# Altium PCB JTAG批量下载板-V1.6-ASCII.PcbDoc (part 8 of 14)
Units mil, origin at the board's own origin, x right, y up, seen from the top; angles counter-clockwise.
Board outline 7947.6 x 7007.76 mil, 2 copper layers (Top Layer, Bottom Layer); 207 components, 340 nets, 1329 pads, 792 vias.
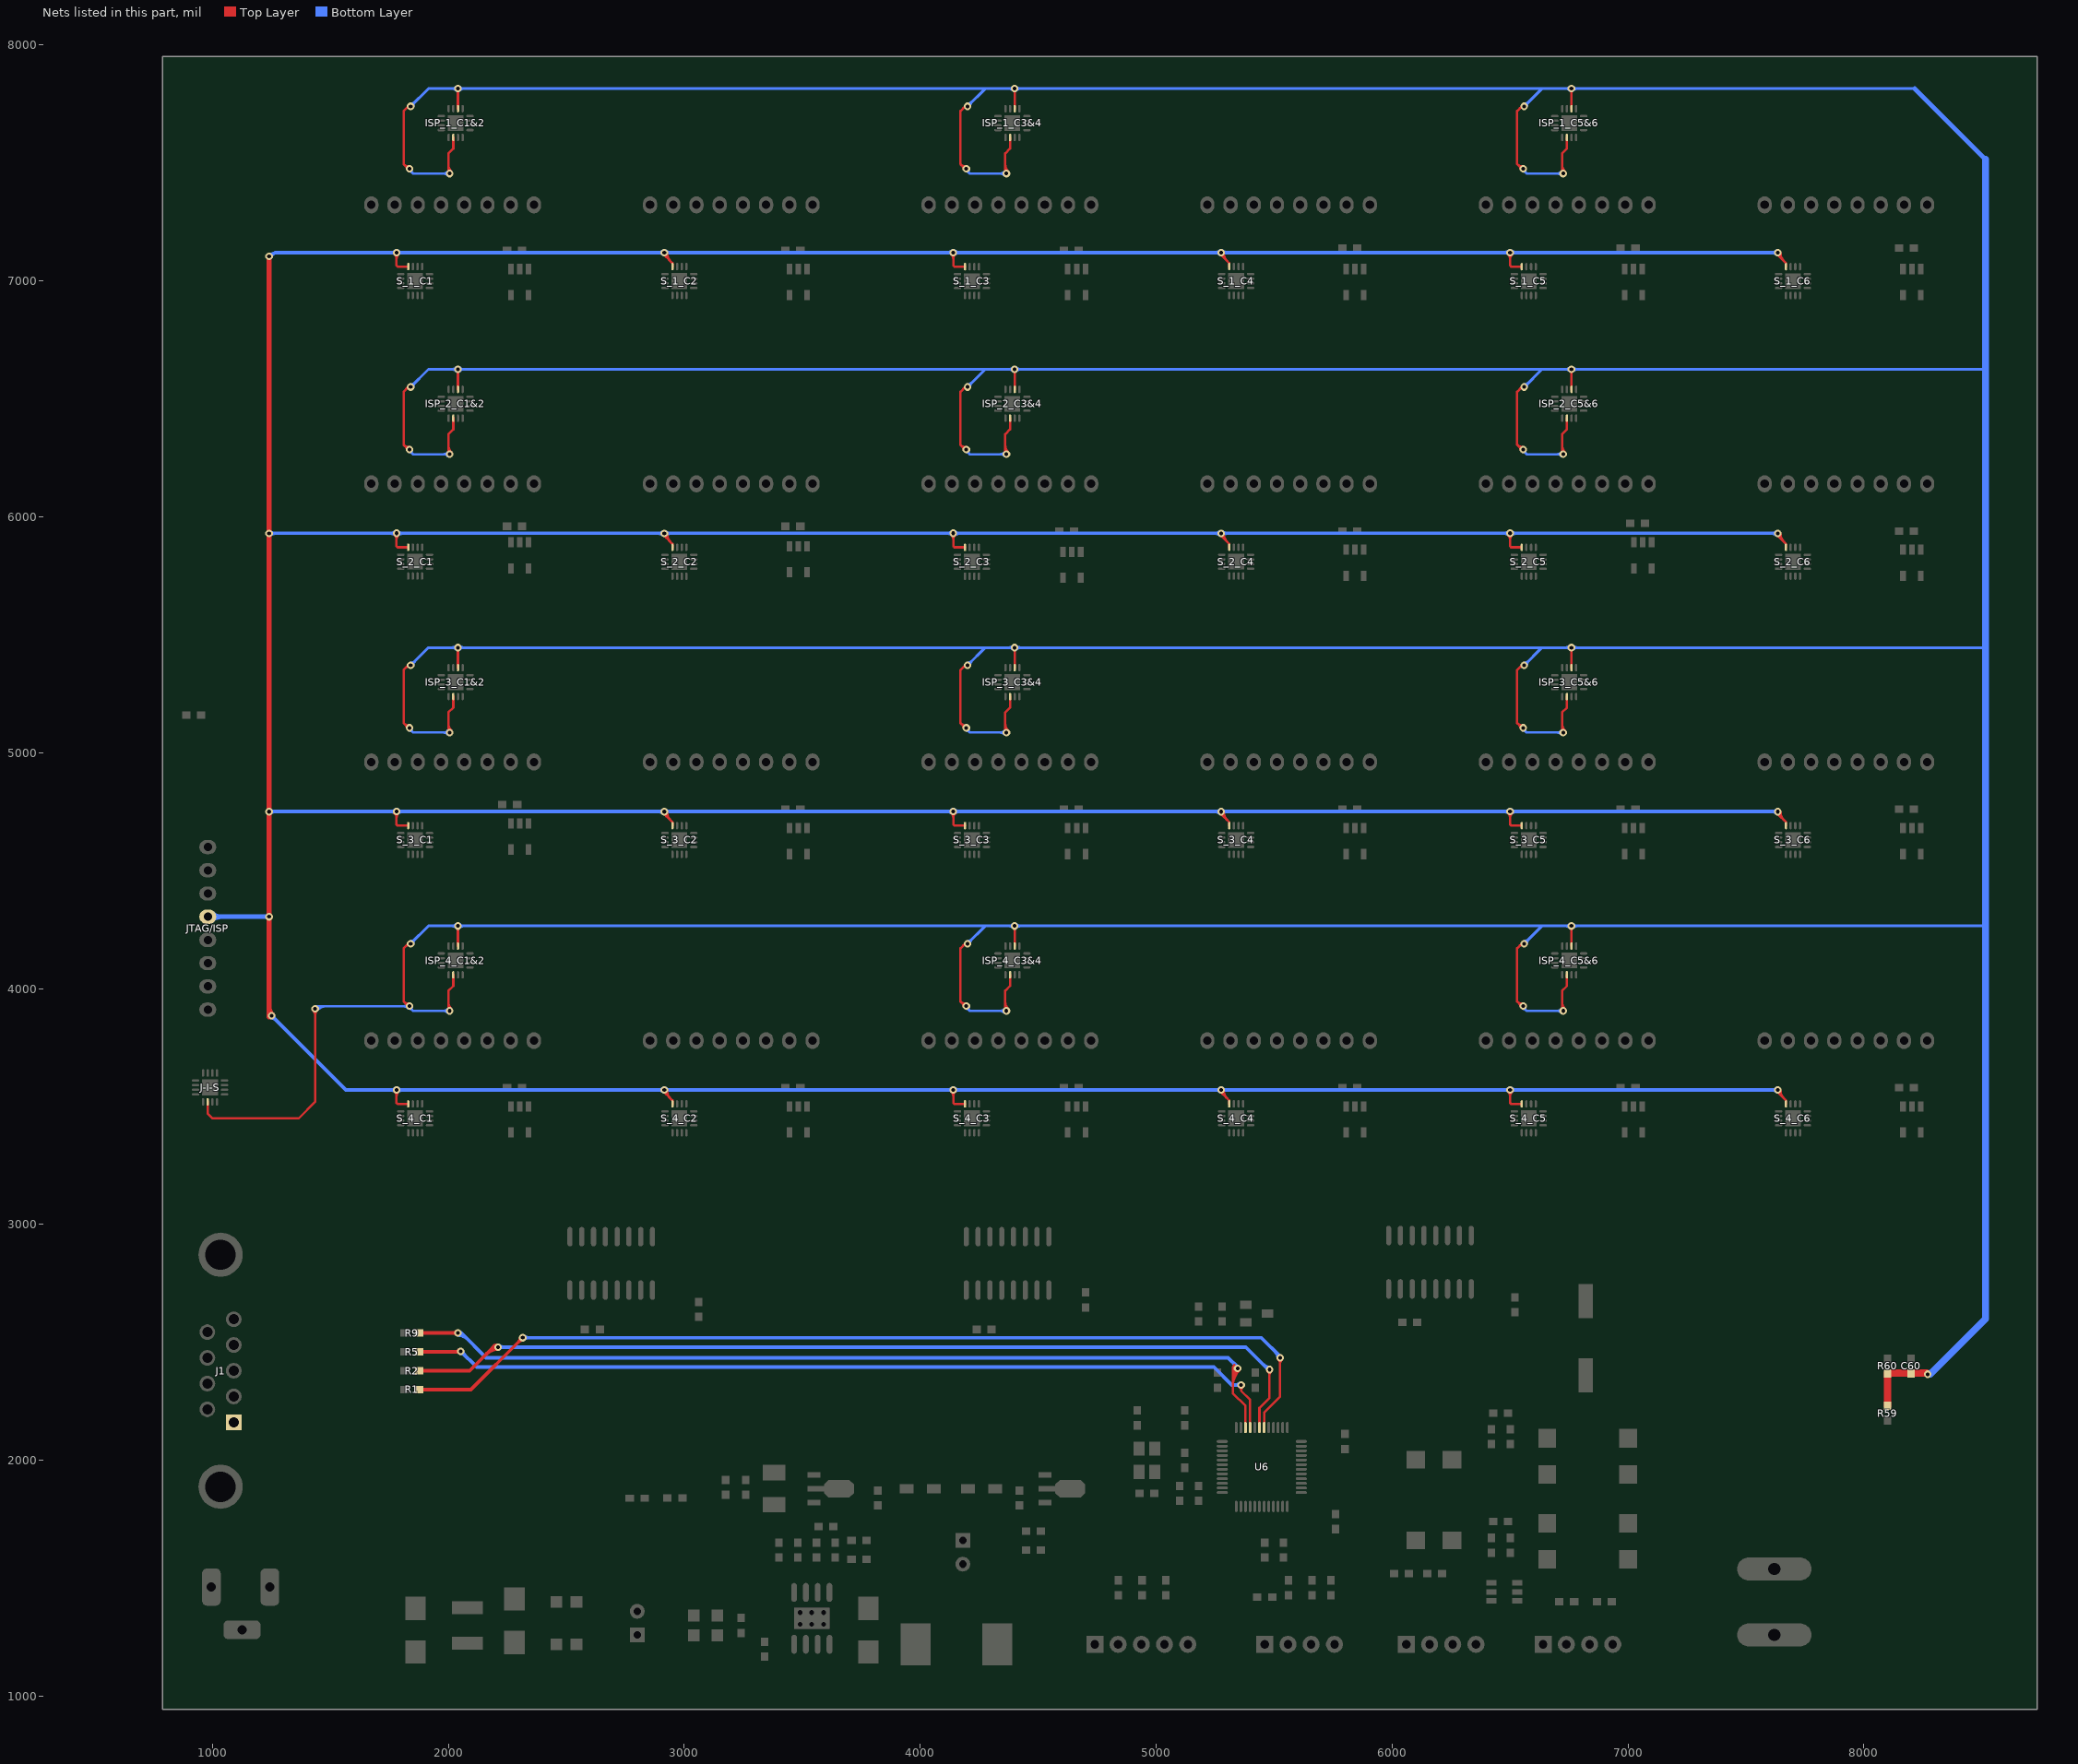
[diagram p8: the nets of this part, all layers, seen from the top]

## Via types
v1: diameter 32, hole 16, Top Layer to Bottom Layer, 721 vias
v2: diameter 50, hole 28, Top Layer to Bottom Layer, 45 vias
v3: diameter 40, hole 20, Top Layer to Bottom Layer, 26 vias

## Nets (pads, with @x,y where several pads share a name; then routed paths per layer and width w, separated by ;. In a path a pad name is that pad's centre, name@x,y a point inside that pad or via, vN(x,y) a via of type N, cw(c..) or ccw(c..) an arc to the next point about the centre after c; other vN are vias at no path point) (continued)
J_I_SWITCH: C60.1 ISP_1_C1&2.2 ISP_1_C1&2.10 ISP_1_C3&4.2 ISP_1_C3&4.10 ISP_1_C5&6.2 ISP_1_C5&6.10 ISP_2_C1&2.2 ISP_2_C1&2.10 ISP_2_C3&4.2 ISP_2_C3&4.10 ISP_2_C5&6.2 ISP_2_C5&6.10 ISP_3_C1&2.2 ISP_3_C1&2.10 ISP_3_C3&4.2 ISP_3_C3&4.10 ISP_3_C5&6.2 ISP_3_C5&6.10 ISP_4_C1&2.2 ISP_4_C1&2.10 ISP_4_C3&4.2 ISP_4_C3&4.10 ISP_4_C5&6.2 ISP_4_C5&6.10 J-I-S.2 R59.2 R60.1 | length 49581.4
  Top Layer w10: J-I-S.2@979.68,3520 979.68,3470.32 1000,3450 1365,3450 1435,3520 v1@1435,3910 ; v1@1825,3930.55 1810,3945.55 1810,4170.55 1829.96,4190.51 v1(1840,4190.51) ; v1@1825,5110.55 1810,5125.55 1810,5350.55 1829.96,5370.51 v1(1840,5370.51) ; v1@1825,6290.55 1810,6305.55 1810,6530.55 1829.96,6550.51 v1(1840,6550.51) ; v1@1825,7480.55 1810,7495.55 1810,7720.55 1829.96,7740.51 v1(1840,7740.51) ; v1@2000,3910.55 2000,3990.55 2020.63,4011.18 ISP_4_C1&2.10@2020.63,4058.45 ; 2000,3944.18 ccw(c2043.63,3944.18) v1@2012.78,3913.33 ; v1@2000,5090.55 2000,5170.55 2020.63,5191.18 ISP_3_C1&2.10@2020.63,5238.45 ; 2000,5124.18 ccw(c2043.63,5124.18) v1@2012.78,5093.33 ; v1@2000,6270.55 2000,6350.55 2020.63,6371.18 ISP_2_C1&2.10@2020.63,6418.45 ; 2000,6304.18 ccw(c2043.63,6304.18) v1@2012.78,6273.33 ; v1@2000,7460.55 2000,7540.55 2020.63,7561.18 ISP_1_C1&2.10@2020.63,7608.5 ; 2000,7494.18 ccw(c2043.63,7494.18) v1@2012.78,7463.33 ; v1(2040,4265.55) 2040.32,4265.24 ISP_4_C1&2.2@2040.32,4180.55 ; v1(2040,5445.55) 2040.32,5445.24 ISP_3_C1&2.2@2040.32,5360.55 ; v1(2040,6625.55) 2040.32,6625.24 ISP_2_C1&2.2@2040.32,6540.55 ; v1(2040,7815.55) 2040.32,7815.24 ISP_1_C1&2.2@2040.32,7730.55 ; v1@4185,3930.55 4170,3945.55 4170,4170.55 4189.96,4190.51 v1(4200,4190.51) ; v1@4185,5110.55 4170,5125.55 4170,5350.55 4189.96,5370.51 v1(4200,5370.51) ; v1@4185,6290.55 4170,6305.55 4170,6530.55 4189.96,6550.51 v1(4200,6550.51) ; v1@4185,7480.55 4170,7495.55 4170,7720.55 4189.96,7740.51 v1(4200,7740.51) ; v1@4360,3910.55 4360,3990.55 4380.63,4011.18 ISP_4_C3&4.10@4380.63,4058.45 ; 4360,3944.18 ccw(c4403.63,3944.18) v1@4372.78,3913.33 ; v1@4360,5090.55 4360,5170.55 4380.63,5191.18 ISP_3_C3&4.10@4380.63,5238.45 ; 4360,5124.18 ccw(c4403.63,5124.18) v1@4372.78,5093.33 ; v1@4360,6270.55 4360,6350.55 4380.63,6371.18 ISP_2_C3&4.10@4380.63,6418.45 ; 4360,6304.18 ccw(c4403.63,6304.18) v1@4372.78,6273.33 ; v1@4360,7460.55 4360,7540.55 4380.63,7561.18 ISP_1_C3&4.10@4380.63,7608.45 ; 4360,7494.18 ccw(c4403.63,7494.18) v1@4372.78,7463.33 ; v1(4400,4265.55) 4400.31,4265.24 ISP_4_C3&4.2@4400.31,4180.55 ; v1(4400,5445.55) 4400.31,5445.24 ISP_3_C3&4.2@4400.31,5360.55 ; v1(4400,6625.55) 4400.31,6625.24 ISP_2_C3&4.2@4400.31,6540.55 ; v1(4400,7815.55) 4400.31,7815.24 ISP_1_C3&4.2@4400.31,7730.55 ; v1@6545,3930.55 6530,3945.55 6530,4170.55 6549.96,4190.51 v1(6560,4190.51) ; v1@6545,5110.55 6530,5125.55 6530,5350.55 6549.96,5370.51 v1(6560,5370.51) ; v1@6545,6290.55 6530,6305.55 6530,6530.55 6549.96,6550.51 v1(6560,6550.51) ; v1@6545,7480.55 6530,7495.55 6530,7720.55 6549.96,7740.51 v1(6560,7740.51) ; v1@6720,3910.55 6720,3990.55 6740.63,4011.18 ISP_4_C5&6.10@6740.63,4058.45 ; 6720,3944.18 ccw(c6763.63,3944.18) v1@6732.78,3913.33 ; v1@6720,5090.55 6720,5170.55 6740.63,5191.18 ISP_3_C5&6.10@6740.63,5238.45 ; 6720,5124.18 ccw(c6763.63,5124.18) v1@6732.78,5093.33 ; v1@6720,6270.55 6720,6350.55 6740.63,6371.18 ISP_2_C5&6.10@6740.63,6418.45 ; 6720,6304.18 ccw(c6763.63,6304.18) v1@6732.78,6273.33 ; v1@6720,7460.55 6720,7540.55 6740.63,7561.18 ISP_1_C5&6.10@6740.63,7608.45 ; 6720,7494.18 ccw(c6763.63,7494.18) v1@6732.78,7463.33 ; v1(6760,4265.55) 6760.31,4265.24 ISP_4_C5&6.2@6760.31,4180.55 ; v1(6760,5445.55) 6760.31,5445.24 ISP_3_C5&6.2@6760.31,5360.55 ; v1(6760,6625.55) 6760.31,6625.24 ISP_2_C5&6.2@6760.31,6540.55 ; v1(6760,7815.55) 6760.31,7815.24 ISP_1_C5&6.2@6760.31,7730.55 ; 1435,3888.44 cw(c1461.56,3888.44) 1442.78,3907.22 ccw(c1461.56,3888.44) 1435,3888.44 ; 1435,3888.44 ccw(c1408.44,3888.44) 1427.22,3907.22 cw(c1408.44,3888.44) 1435,3888.44 ; 1812.5,3943.05 ccw(c1829.32,3959.87) 1833.2,3936.4 cw(c1829.32,3959.87) 1812.5,3943.05 ; 1812.5,5123.05 ccw(c1829.32,5139.87) 1833.2,5116.4 cw(c1829.32,5139.87) 1812.5,5123.05 ; 1812.5,6303.05 ccw(c1829.32,6319.87) 1833.2,6296.4 cw(c1829.32,6319.87) 1812.5,6303.05 ; 1812.5,7493.05 ccw(c1829.32,7509.87) 1833.2,7486.4 cw(c1829.32,7509.87) 1812.5,7493.05 ; 1819.76,3935.79 cw(c1809.51,3925.55) 1824,3925.55 ccw(c1809.51,3925.55) 1819.76,3935.79 ; 1819.76,5115.79 cw(c1809.51,5105.55) 1824,5105.55 ccw(c1809.51,5105.55) 1819.76,5115.79 ; 1819.76,6295.79 cw(c1809.51,6285.55) 1824,6285.55 ccw(c1809.51,6285.55) 1819.76,6295.79 ; 1819.76,7485.79 cw(c1809.51,7475.55) 1824,7475.55 ccw(c1809.51,7475.55) 1819.76,7485.79 ; 1821.56,4182.11 cw(c1839.45,4164.22) 1839.98,4189.51 ccw(c1839.45,4164.22) 1821.56,4182.11 ; 1821.56,5362.11 cw(c1839.45,5344.22) 1839.98,5369.51 ccw(c1839.45,5344.22) 1821.56,5362.11 ; 1821.56,6542.11 cw(c1839.45,6524.22) 1839.98,6549.51 ccw(c1839.45,6524.22) 1821.56,6542.11 ; 1821.56,7732.11 cw(c1839.45,7714.22) 1839.98,7739.51 ccw(c1839.45,7714.22) 1821.56,7732.11 ; 4172.5,3943.05 ccw(c4189.32,3959.87) 4193.2,3936.4 cw(c4189.32,3959.87) 4172.5,3943.05 ; 4172.5,5123.05 ccw(c4189.32,5139.87) 4193.2,5116.4 cw(c4189.32,5139.87) 4172.5,5123.05 ; 4172.5,6303.05 ccw(c4189.32,6319.87) 4193.2,6296.4 cw(c4189.32,6319.87) 4172.5,6303.05 ; 4172.5,7493.05 ccw(c4189.32,7509.87) 4193.2,7486.4 cw(c4189.32,7509.87) 4172.5,7493.05 ; 4179.76,3935.79 cw(c4169.51,3925.55) 4184,3925.55 ccw(c4169.51,3925.55) 4179.76,3935.79 ; 4179.76,5115.79 cw(c4169.51,5105.55) 4184,5105.55 ccw(c4169.51,5105.55) 4179.76,5115.79 ; 4179.76,6295.79 cw(c4169.51,6285.55) 4184,6285.55 ccw(c4169.51,6285.55) 4179.76,6295.79 ; 4179.76,7485.79 cw(c4169.51,7475.55) 4184,7475.55 ccw(c4169.51,7475.55) 4179.76,7485.79 ; 4181.56,4182.11 cw(c4199.45,4164.22) 4199.98,4189.51 ccw(c4199.45,4164.22) 4181.56,4182.11 ; 4181.56,5362.11 cw(c4199.45,5344.22) 4199.98,5369.51 ccw(c4199.45,5344.22) 4181.56,5362.11 ; 4181.56,6542.11 cw(c4199.45,6524.22) 4199.98,6549.51 ccw(c4199.45,6524.22) 4181.56,6542.11 ; 4181.56,7732.11 cw(c4199.45,7714.22) 4199.98,7739.51 ccw(c4199.45,7714.22) 4181.56,7732.11 ; 6532.5,3943.05 ccw(c6549.32,3959.87) 6553.2,3936.4 cw(c6549.32,3959.87) 6532.5,3943.05 ; 6532.5,5123.05 ccw(c6549.32,5139.87) 6553.2,5116.4 cw(c6549.32,5139.87) 6532.5,5123.05 ; 6532.5,6303.05 ccw(c6549.32,6319.87) 6553.2,6296.4 cw(c6549.32,6319.87) 6532.5,6303.05 ; 6532.5,7493.05 ccw(c6549.32,7509.87) 6553.2,7486.4 cw(c6549.32,7509.87) 6532.5,7493.05 ; 6539.76,3935.79 cw(c6529.51,3925.55) 6544,3925.55 ccw(c6529.51,3925.55) 6539.76,3935.79 ; 6539.76,5115.79 cw(c6529.51,5105.55) 6544,5105.55 ccw(c6529.51,5105.55) 6539.76,5115.79 ; 6539.76,6295.79 cw(c6529.51,6285.55) 6544,6285.55 ccw(c6529.51,6285.55) 6539.76,6295.79 ; 6539.76,7485.79 cw(c6529.51,7475.55) 6544,7475.55 ccw(c6529.51,7475.55) 6539.76,7485.79 ; 6541.56,4182.11 cw(c6559.45,4164.22) 6559.98,4189.51 ccw(c6559.45,4164.22) 6541.56,4182.11 ; 6541.56,5362.11 cw(c6559.45,5344.22) 6559.98,5369.51 ccw(c6559.45,5344.22) 6541.56,5362.11 ; 6541.56,6542.11 cw(c6559.45,6524.22) 6559.98,6549.51 ccw(c6559.45,6524.22) 6541.56,6542.11 ; 6541.56,7732.11 cw(c6559.45,7714.22) 6559.98,7739.51 ccw(c6559.45,7714.22) 6541.56,7732.11
  Top Layer w30: R59.2@8100,2231.5 R60.1@8100,2368.5 ; R60.1@8100,2370 v1@8265,2370
  Bottom Layer w10: v1@1435,3920 1440.55,3925.55 v1(1835,3925.55) ; v1@1435.71,3914.29 cw(c1462.89,3887.11) 1462.89,3925.55 ; v1@1442.78,3907.22 cw(c1487.03,3862.97) 1487.03,3925.55 ; v1@1825,3930.55 1850,3905.55 v1(2005,3905.55) ; v1@1825,5110.55 1850,5085.55 v1(2005,5085.55) ; v1@1825,6290.55 1850,6265.55 v1(2005,6265.55) ; v1@1825,7480.55 1850,7455.55 v1(2005,7455.55) ; v1@1827.22,3917.77 ccw(c1808.44,3898.99) 1808.44,3925.55 ccw(c1808.44,3952.11) v1@1827.22,3933.33 ; v1@4185,3930.55 4210,3905.55 v1(4365,3905.55) ; v1@4185,5110.55 4210,5085.55 v1(4365,5085.55) ; v1@4185,6290.55 4210,6265.55 v1(4365,6265.55) ; v1@4185,7480.55 4210,7455.55 v1(4365,7455.55) ; v1@6545,3930.55 6570,3905.55 v1(6725,3905.55) ; v1@6545,5110.55 6570,5085.55 v1(6725,5085.55) ; v1@6545,6290.55 6570,6265.55 v1(6725,6265.55) ; v1@6545,7480.55 6570,7455.55 v1(6725,7455.55) ; 1978.44,3905.55 cw(c1978.44,3878.99) 1997.22,3897.77 ccw(c1978.44,3878.99) 1978.44,3905.55 ; 1978.44,3905.55 ccw(c1978.44,3932.11) 1997.22,3913.33 cw(c1978.44,3932.11) 1978.44,3905.55 ; 1978.44,5085.55 cw(c1978.44,5058.99) 1997.22,5077.77 ccw(c1978.44,5058.99) 1978.44,5085.55 ; 1978.44,5085.55 ccw(c1978.44,5112.11) 1997.22,5093.33 cw(c1978.44,5112.11) 1978.44,5085.55 ; 1978.44,6265.55 cw(c1978.44,6238.99) 1997.22,6257.77 ccw(c1978.44,6238.99) 1978.44,6265.55 ; 1978.44,6265.55 ccw(c1978.44,6292.11) 1997.22,6273.33 cw(c1978.44,6292.11) 1978.44,6265.55 ; 1978.44,7455.55 cw(c1978.44,7428.99) 1997.22,7447.77 ccw(c1978.44,7428.99) 1978.44,7455.55 ; 1978.44,7455.55 ccw(c1978.44,7482.11) 1997.22,7463.33 cw(c1978.44,7482.11) 1978.44,7455.55 ; 4338.44,3905.55 cw(c4338.44,3878.99) 4357.22,3897.77 ccw(c4338.44,3878.99) 4338.44,3905.55 ; 4338.44,3905.55 ccw(c4338.44,3932.11) 4357.22,3913.33 cw(c4338.44,3932.11) 4338.44,3905.55 ; 4338.44,5085.55 cw(c4338.44,5058.99) 4357.22,5077.77 ccw(c4338.44,5058.99) 4338.44,5085.55 ; 4338.44,5085.55 ccw(c4338.44,5112.11) 4357.22,5093.33 cw(c4338.44,5112.11) 4338.44,5085.55 ; 4338.44,6265.55 cw(c4338.44,6238.99) 4357.22,6257.77 ccw(c4338.44,6238.99) 4338.44,6265.55 ; 4338.44,6265.55 ccw(c4338.44,6292.11) 4357.22,6273.33 cw(c4338.44,6292.11) 4338.44,6265.55 ; 4338.44,7455.55 cw(c4338.44,7428.99) 4357.22,7447.77 ccw(c4338.44,7428.99) 4338.44,7455.55 ; 4338.44,7455.55 ccw(c4338.44,7482.11) 4357.22,7463.33 cw(c4338.44,7482.11) 4338.44,7455.55 ; 6698.44,3905.55 cw(c6698.44,3878.99) 6717.22,3897.77 ccw(c6698.44,3878.99) 6698.44,3905.55 ; 6698.44,3905.55 ccw(c6698.44,3932.11) 6717.22,3913.33 cw(c6698.44,3932.11) 6698.44,3905.55 ; 6698.44,5085.55 cw(c6698.44,5058.99) 6717.22,5077.77 ccw(c6698.44,5058.99) 6698.44,5085.55 ; 6698.44,5085.55 ccw(c6698.44,5112.11) 6717.22,5093.33 cw(c6698.44,5112.11) 6698.44,5085.55 ; 6698.44,6265.55 cw(c6698.44,6238.99) 6717.22,6257.77 ccw(c6698.44,6238.99) 6698.44,6265.55 ; 6698.44,6265.55 ccw(c6698.44,6292.11) 6717.22,6273.33 cw(c6698.44,6292.11) 6698.44,6265.55 ; 6698.44,7455.55 cw(c6698.44,7428.99) 6717.22,7447.77 ccw(c6698.44,7428.99) 6698.44,7455.55 ; 6698.44,7455.55 ccw(c6698.44,7482.11) 6717.22,7463.33 cw(c6698.44,7482.11) 6698.44,7455.55 ; v1@1835,3914.55 cw(c1835,3900.07) 1845.24,3910.31 ccw(c1835,3900.07) v1@1835,3914.55 ; v1@1835,5094.55 cw(c1835,5080.07) 1845.24,5090.31 ccw(c1835,5080.07) v1@1835,5094.55 ; v1@1835,6274.55 cw(c1835,6260.07) 1845.24,6270.31 ccw(c1835,6260.07) v1@1835,6274.55 ; v1@1835,7464.55 cw(c1835,7450.07) 1845.24,7460.31 ccw(c1835,7450.07) v1@1835,7464.55 ; v1@1845.06,3921.1 ccw(c1855.8,3916.36) 1847.5,3908.05 cw(c1855.8,3916.36) v1@1845.06,3921.1 ; v1@1845.06,5101.1 ccw(c1855.8,5096.36) 1847.5,5088.05 cw(c1855.8,5096.36) v1@1845.06,5101.1 ; v1@1845.06,6281.1 ccw(c1855.8,6276.36) 1847.5,6268.05 cw(c1855.8,6276.36) v1@1845.06,6281.1 ; v1@1845.06,7471.1 ccw(c1855.8,7466.36) 1847.5,7458.05 cw(c1855.8,7466.36) v1@1845.06,7471.1 ; v1@4195,3914.55 cw(c4195,3900.07) 4205.24,3910.31 ccw(c4195,3900.07) v1@4195,3914.55 ; v1@4195,5094.55 cw(c4195,5080.07) 4205.24,5090.31 ccw(c4195,5080.07) v1@4195,5094.55 ; v1@4195,6274.55 cw(c4195,6260.07) 4205.24,6270.31 ccw(c4195,6260.07) v1@4195,6274.55 ; v1@4195,7464.55 cw(c4195,7450.07) 4205.24,7460.31 ccw(c4195,7450.07) v1@4195,7464.55 ; v1@4205.06,3921.1 ccw(c4215.8,3916.36) 4207.5,3908.05 cw(c4215.8,3916.36) v1@4205.06,3921.1 ; v1@4205.06,5101.1 ccw(c4215.8,5096.36) 4207.5,5088.05 cw(c4215.8,5096.36) v1@4205.06,5101.1 ; v1@4205.06,6281.1 ccw(c4215.8,6276.36) 4207.5,6268.05 cw(c4215.8,6276.36) v1@4205.06,6281.1 ; v1@4205.06,7471.1 ccw(c4215.8,7466.36) 4207.5,7458.05 cw(c4215.8,7466.36) v1@4205.06,7471.1 ; v1@6555,3914.55 cw(c6555,3900.07) 6565.24,3910.31 ccw(c6555,3900.07) v1@6555,3914.55 ; v1@6555,5094.55 cw(c6555,5080.07) 6565.24,5090.31 ccw(c6555,5080.07) v1@6555,5094.55 ; v1@6555,6274.55 cw(c6555,6260.07) 6565.24,6270.31 ccw(c6555,6260.07) v1@6555,6274.55 ; v1@6555,7464.55 cw(c6555,7450.07) 6565.24,7460.31 ccw(c6555,7450.07) v1@6555,7464.55 ; v1@6565.06,3921.1 ccw(c6575.8,3916.36) 6567.5,3908.05 cw(c6575.8,3916.36) v1@6565.06,3921.1 ; v1@6565.06,5101.1 ccw(c6575.8,5096.36) 6567.5,5088.05 cw(c6575.8,5096.36) v1@6565.06,5101.1 ; v1@6565.06,6281.1 ccw(c6575.8,6276.36) 6567.5,6268.05 cw(c6575.8,6276.36) v1@6565.06,6281.1 ; v1@6565.06,7471.1 ccw(c6575.8,7466.36) 6567.5,7458.05 cw(c6575.8,7466.36) v1@6565.06,7471.1
  Bottom Layer w12: v1(1840,4190.51) 1915.04,4265.55 8510.55,4265.55 ; v1(1840,5370.51) 1915.04,5445.55 8510.55,5445.55 ; v1(1840,6550.51) 1915.04,6625.55 8510.55,6625.55 ; v1(1840,7740.51) 1915.04,7815.55 8214.45,7815.55 ; v1(4200,4190.51) 4275.04,4265.55 ; v1(4200,5370.51) 4275.04,5445.55 ; v1(4200,6550.51) 4275.04,6625.55 ; v1(4200,7740.51) 4275.04,7815.55 ; v1(6560,4190.51) 6635.04,4265.55 ; v1(6560,5370.51) 6635.04,5445.55 ; v1(6560,6550.51) 6635.04,6625.55 ; v1(6560,7740.51) 6635.04,7815.55 ; v1(8270,2365) v1@8280,2365 ; 1857.07,4207.58 cw(c1840,4224.65) 1840,4200.51 ccw(c1840,4224.65) 1857.07,4207.58 ; 1857.07,4207.58 ccw(c1874.14,4190.51) 1850,4190.51 cw(c1874.14,4190.51) 1857.07,4207.58 ; 1857.07,5387.58 cw(c1840,5404.65) 1840,5380.51 ccw(c1840,5404.65) 1857.07,5387.58 ; 1857.07,5387.58 ccw(c1874.14,5370.51) 1850,5370.51 cw(c1874.14,5370.51) 1857.07,5387.58 ; 1857.07,6567.58 cw(c1840,6584.65) 1840,6560.51 ccw(c1840,6584.65) 1857.07,6567.58 ; 1857.07,6567.58 ccw(c1874.14,6550.51) 1850,6550.51 cw(c1874.14,6550.51) 1857.07,6567.58 ; 1857.07,7757.58 cw(c1840,7774.65) 1840,7750.51 ccw(c1840,7774.65) 1857.07,7757.58 ; 1857.07,7757.58 ccw(c1874.14,7740.51) 1850,7740.51 cw(c1874.14,7740.51) 1857.07,7757.58 ; 2015.86,4265.55 cw(c2015.86,4241.41) 2032.93,4258.48 ccw(c2015.86,4241.41) 2015.86,4265.55 ; 2015.86,4265.55 ccw(c2015.86,4289.69) 2032.93,4272.62 cw(c2015.86,4289.69) 2015.86,4265.55 ; 2015.86,5445.55 cw(c2015.86,5421.41) 2032.93,5438.48 ccw(c2015.86,5421.41) 2015.86,5445.55 ; 2015.86,5445.55 ccw(c2015.86,5469.69) 2032.93,5452.62 cw(c2015.86,5469.69) 2015.86,5445.55 ; 2015.86,6625.55 cw(c2015.86,6601.41) 2032.93,6618.48 ccw(c2015.86,6601.41) 2015.86,6625.55 ; 2015.86,6625.55 ccw(c2015.86,6649.69) 2032.93,6632.62 cw(c2015.86,6649.69) 2015.86,6625.55 ; 2015.86,7815.55 cw(c2015.86,7791.41) 2032.93,7808.48 ccw(c2015.86,7791.41) 2015.86,7815.55 ; 2015.86,7815.55 ccw(c2015.86,7839.69) 2032.93,7822.62 cw(c2015.86,7839.69) 2015.86,7815.55 ; 2064.14,4265.55 cw(c2064.14,4289.69) 2047.07,4272.62 ccw(c2064.14,4289.69) 2064.14,4265.55 ; 2064.14,4265.55 ccw(c2064.14,4241.41) 2047.07,4258.48 cw(c2064.14,4241.41) 2064.14,4265.55 ; 2064.14,5445.55 cw(c2064.14,5469.69) 2047.07,5452.62 ccw(c2064.14,5469.69) 2064.14,5445.55 ; 2064.14,5445.55 ccw(c2064.14,5421.41) 2047.07,5438.48 cw(c2064.14,5421.41) 2064.14,5445.55 ; 2064.14,6625.55 cw(c2064.14,6649.69) 2047.07,6632.62 ccw(c2064.14,6649.69) 2064.14,6625.55 ; 2064.14,6625.55 ccw(c2064.14,6601.41) 2047.07,6618.48 cw(c2064.14,6601.41) 2064.14,6625.55 ; 2064.14,7815.55 cw(c2064.14,7839.69) 2047.07,7822.62 ccw(c2064.14,7839.69) 2064.14,7815.55 ; 2064.14,7815.55 ccw(c2064.14,7791.41) 2047.07,7808.48 cw(c2064.14,7791.41) 2064.14,7815.55 ; 4217.07,4207.58 cw(c4200,4224.65) 4200,4200.51 ccw(c4200,4224.65) 4217.07,4207.58 ; 4217.07,4207.58 ccw(c4234.14,4190.51) 4210,4190.51 cw(c4234.14,4190.51) 4217.07,4207.58 ; 4217.07,5387.58 cw(c4200,5404.65) 4200,5380.51 ccw(c4200,5404.65) 4217.07,5387.58 ; 4217.07,5387.58 ccw(c4234.14,5370.51) 4210,5370.51 cw(c4234.14,5370.51) 4217.07,5387.58 ; 4217.07,6567.58 cw(c4200,6584.65) 4200,6560.51 ccw(c4200,6584.65) 4217.07,6567.58 ; 4217.07,6567.58 ccw(c4234.14,6550.51) 4210,6550.51 cw(c4234.14,6550.51) 4217.07,6567.58 ; 4217.07,7757.58 cw(c4200,7774.65) 4200,7750.51 ccw(c4200,7774.65) 4217.07,7757.58 ; 4217.07,7757.58 ccw(c4234.14,7740.51) 4210,7740.51 cw(c4234.14,7740.51) 4217.07,7757.58 ; 4375.86,4265.55 cw(c4375.86,4241.41) 4392.93,4258.48 ccw(c4375.86,4241.41) 4375.86,4265.55 ; 4375.86,4265.55 ccw(c4375.86,4289.69) 4392.93,4272.62 cw(c4375.86,4289.69) 4375.86,4265.55 ; 4375.86,5445.55 cw(c4375.86,5421.41) 4392.93,5438.48 ccw(c4375.86,5421.41) 4375.86,5445.55 ; 4375.86,5445.55 ccw(c4375.86,5469.69) 4392.93,5452.62 cw(c4375.86,5469.69) 4375.86,5445.55 ; 4375.86,6625.55 cw(c4375.86,6601.41) 4392.93,6618.48 ccw(c4375.86,6601.41) 4375.86,6625.55 ; 4375.86,6625.55 ccw(c4375.86,6649.69) 4392.93,6632.62 cw(c4375.86,6649.69) 4375.86,6625.55 ; 4375.86,7815.55 cw(c4375.86,7791.41) 4392.93,7808.48 ccw(c4375.86,7791.41) 4375.86,7815.55 ; 4375.86,7815.55 ccw(c4375.86,7839.69) 4392.93,7822.62 cw(c4375.86,7839.69) 4375.86,7815.55 ; 4424.14,4265.55 cw(c4424.14,4289.69) 4407.07,4272.62 ccw(c4424.14,4289.69) 4424.14,4265.55 ; 4424.14,4265.55 ccw(c4424.14,4241.41) 4407.07,4258.48 cw(c4424.14,4241.41) 4424.14,4265.55 ; 4424.14,5445.55 cw(c4424.14,5469.69) 4407.07,5452.62 ccw(c4424.14,5469.69) 4424.14,5445.55 ; 4424.14,5445.55 ccw(c4424.14,5421.41) 4407.07,5438.48 cw(c4424.14,5421.41) 4424.14,5445.55 ; 4424.14,6625.55 cw(c4424.14,6649.69) 4407.07,6632.62 ccw(c4424.14,6649.69) 4424.14,6625.55 ; 4424.14,6625.55 ccw(c4424.14,6601.41) 4407.07,6618.48 cw(c4424.14,6601.41) 4424.14,6625.55 ; 4424.14,7815.55 cw(c4424.14,7839.69) 4407.07,7822.62 ccw(c4424.14,7839.69) 4424.14,7815.55 ; 4424.14,7815.55 ccw(c4424.14,7791.41) 4407.07,7808.48 cw(c4424.14,7791.41) 4424.14,7815.55 ; 6577.07,4207.58 cw(c6560,4224.65) 6560,4200.51 ccw(c6560,4224.65) 6577.07,4207.58 ; 6577.07,4207.58 ccw(c6594.14,4190.51) 6570,4190.51 cw(c6594.14,4190.51) 6577.07,4207.58 ; 6577.07,5387.58 cw(c6560,5404.65) 6560,5380.51 ccw(c6560,5404.65) 6577.07,5387.58 ; 6577.07,5387.58 ccw(c6594.14,5370.51) 6570,5370.51 cw(c6594.14,5370.51) 6577.07,5387.58 ; 6577.07,6567.58 cw(c6560,6584.65) 6560,6560.51 ccw(c6560,6584.65) 6577.07,6567.58 ; 6577.07,6567.58 ccw(c6594.14,6550.51) 6570,6550.51 cw(c6594.14,6550.51) 6577.07,6567.58 ; 6577.07,7757.58 cw(c6560,7774.65) 6560,7750.51 ccw(c6560,7774.65) 6577.07,7757.58 ; 6577.07,7757.58 ccw(c6594.14,7740.51) 6570,7740.51 cw(c6594.14,7740.51) 6577.07,7757.58 ; 6735.86,4265.55 cw(c6735.86,4241.41) 6752.93,4258.48 ccw(c6735.86,4241.41) 6735.86,4265.55 ; 6735.86,4265.55 ccw(c6735.86,4289.69) 6752.93,4272.62 cw(c6735.86,4289.69) 6735.86,4265.55 ; 6735.86,5445.55 cw(c6735.86,5421.41) 6752.93,5438.48 ccw(c6735.86,5421.41) 6735.86,5445.55 ; 6735.86,5445.55 ccw(c6735.86,5469.69) 6752.93,5452.62 cw(c6735.86,5469.69) 6735.86,5445.55 ; 6735.86,6625.55 cw(c6735.86,6601.41) 6752.93,6618.48 ccw(c6735.86,6601.41) 6735.86,6625.55 ; 6735.86,6625.55 ccw(c6735.86,6649.69) 6752.93,6632.62 cw(c6735.86,6649.69) 6735.86,6625.55 ; 6735.86,7815.55 cw(c6735.86,7791.41) 6752.93,7808.48 ccw(c6735.86,7791.41) 6735.86,7815.55 ; 6735.86,7815.55 ccw(c6735.86,7839.69) 6752.93,7822.62 cw(c6735.86,7839.69) 6735.86,7815.55 ; 6784.14,4265.55 cw(c6784.14,4289.69) 6767.07,4272.62 ccw(c6784.14,4289.69) 6784.14,4265.55 ; 6784.14,4265.55 ccw(c6784.14,4241.41) 6767.07,4258.48 cw(c6784.14,4241.41) 6784.14,4265.55 ; 6784.14,5445.55 cw(c6784.14,5469.69) 6767.07,5452.62 ccw(c6784.14,5469.69) 6784.14,5445.55 ; 6784.14,5445.55 ccw(c6784.14,5421.41) 6767.07,5438.48 cw(c6784.14,5421.41) 6784.14,5445.55 ; 6784.14,6625.55 cw(c6784.14,6649.69) 6767.07,6632.62 ccw(c6784.14,6649.69) 6784.14,6625.55 ; 6784.14,6625.55 ccw(c6784.14,6601.41) 6767.07,6618.48 cw(c6784.14,6601.41) 6784.14,6625.55 ; 6784.14,7815.55 cw(c6784.14,7839.69) 6767.07,7822.62 ccw(c6784.14,7839.69) 6784.14,7815.55 ; 6784.14,7815.55 ccw(c6784.14,7791.41) 6767.07,7808.48 cw(c6784.14,7791.41) 6784.14,7815.55